# Altium PCB controller.PcbDoc (part 1 of 6)
Units mm, origin at the board's own origin, x right, y up, seen from the top; angles counter-clockwise.
Board outline 151 x 78 mm, 2 copper layers (Top Layer, Bottom Layer); 227 components, 202 nets, 805 pads, 125 vias.
Unrouted connection lines stored in the file: 1.
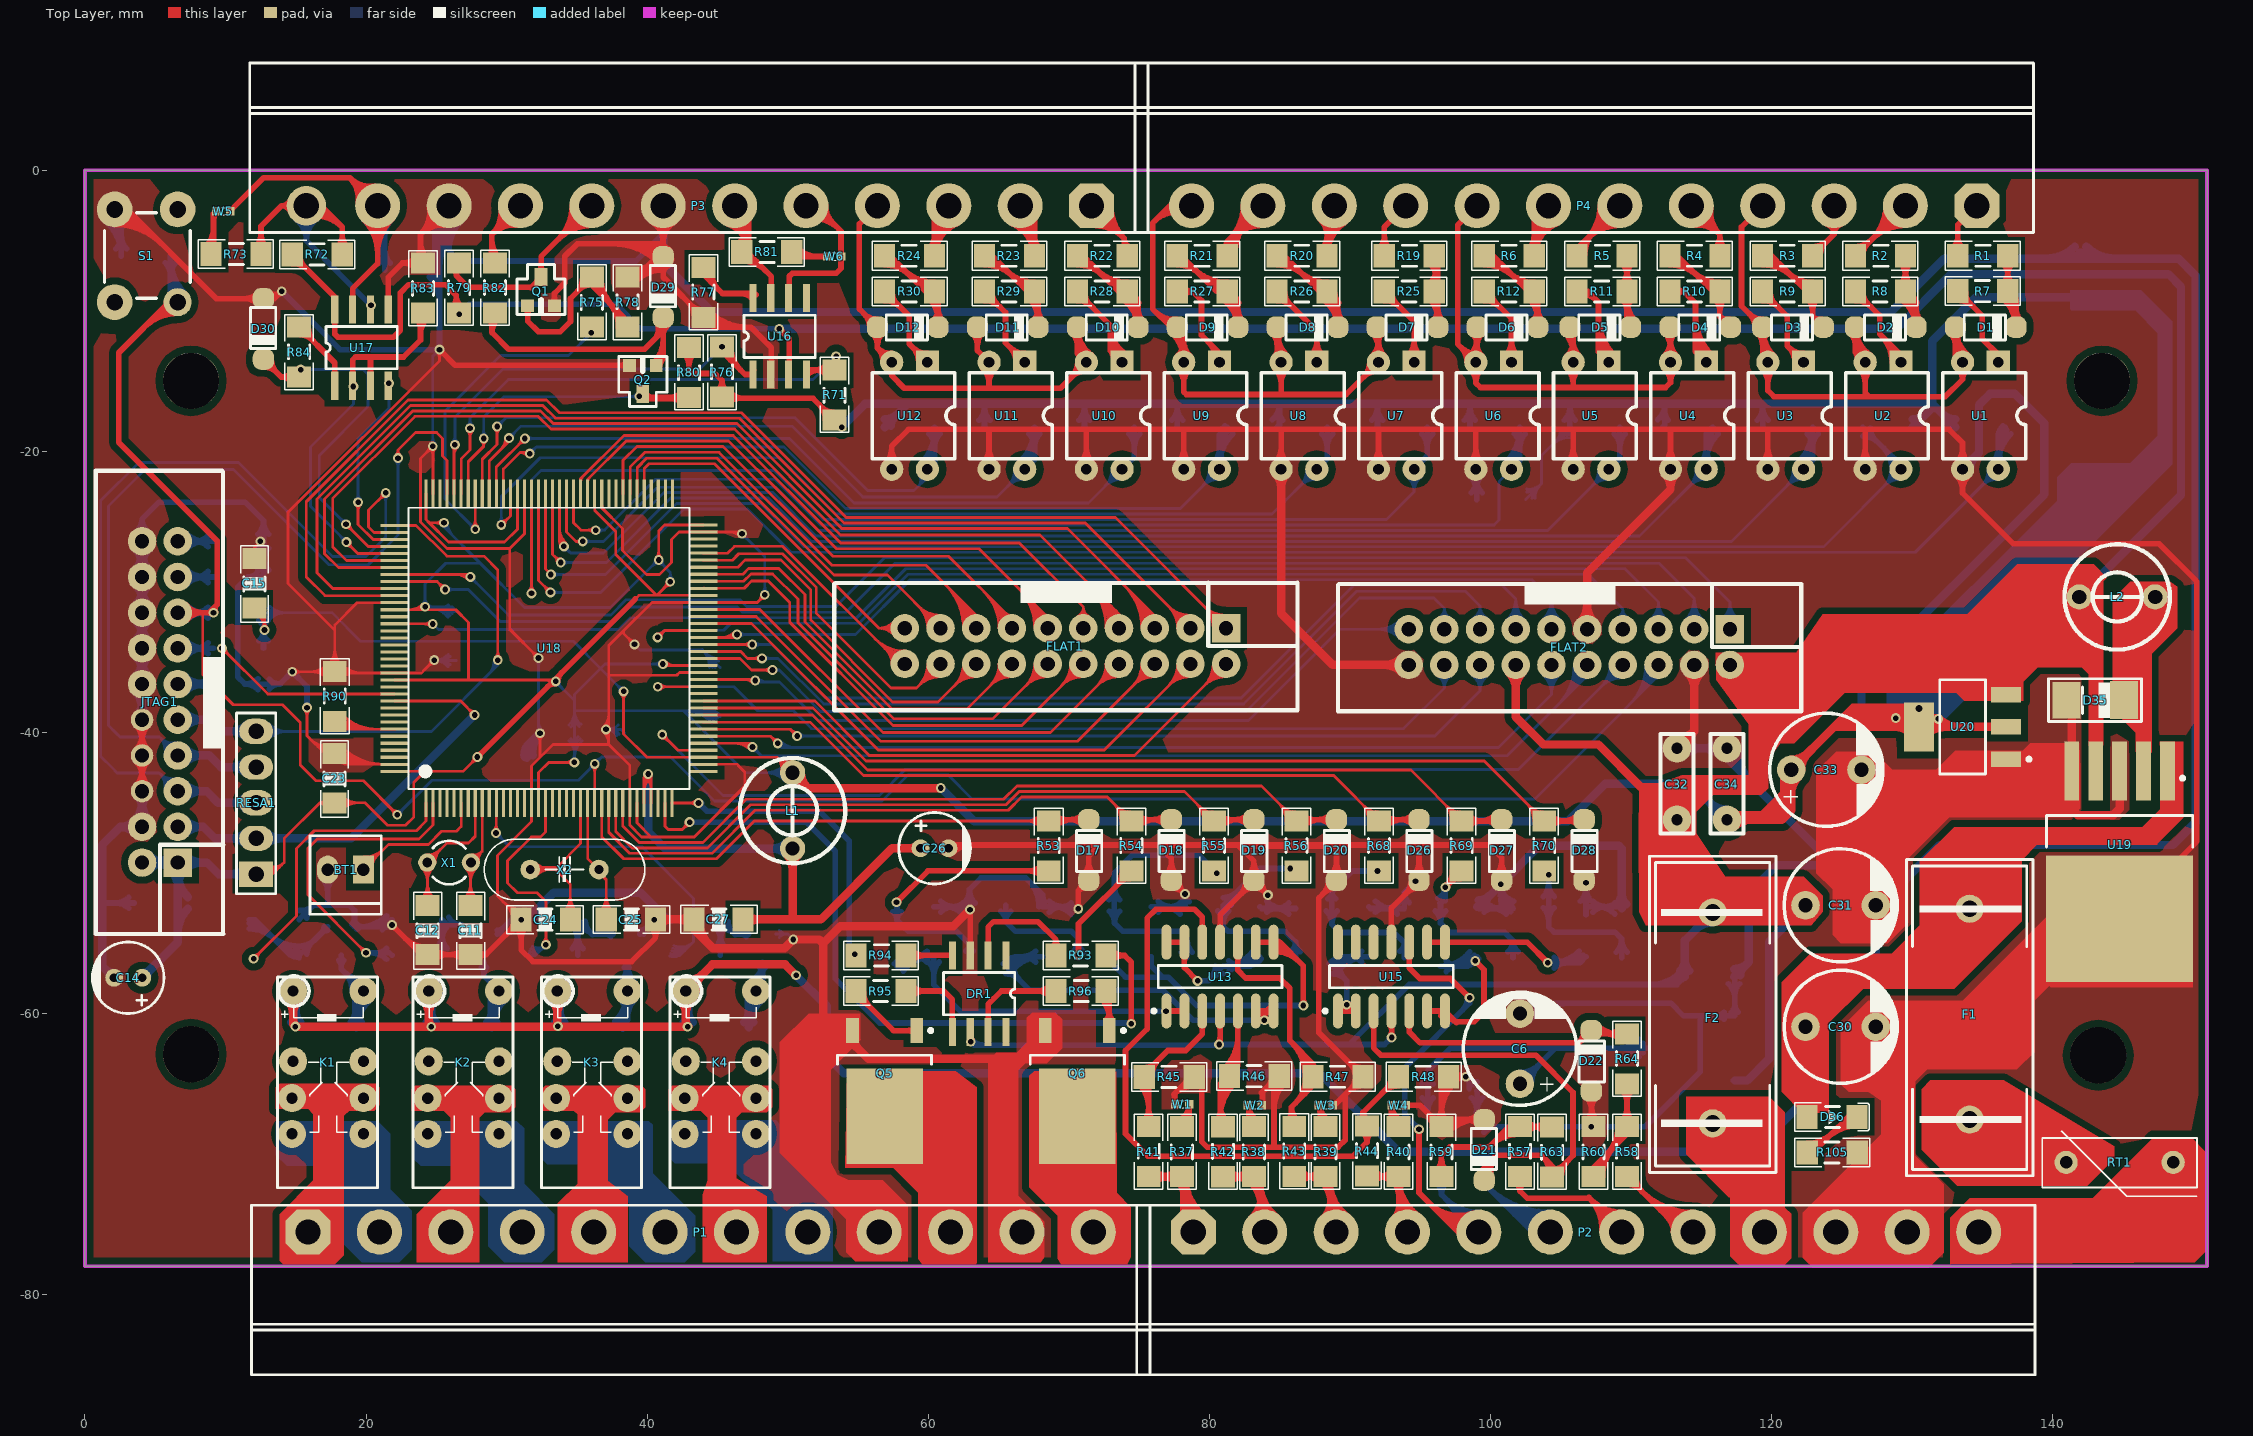
[diagram p0: Top Layer view]
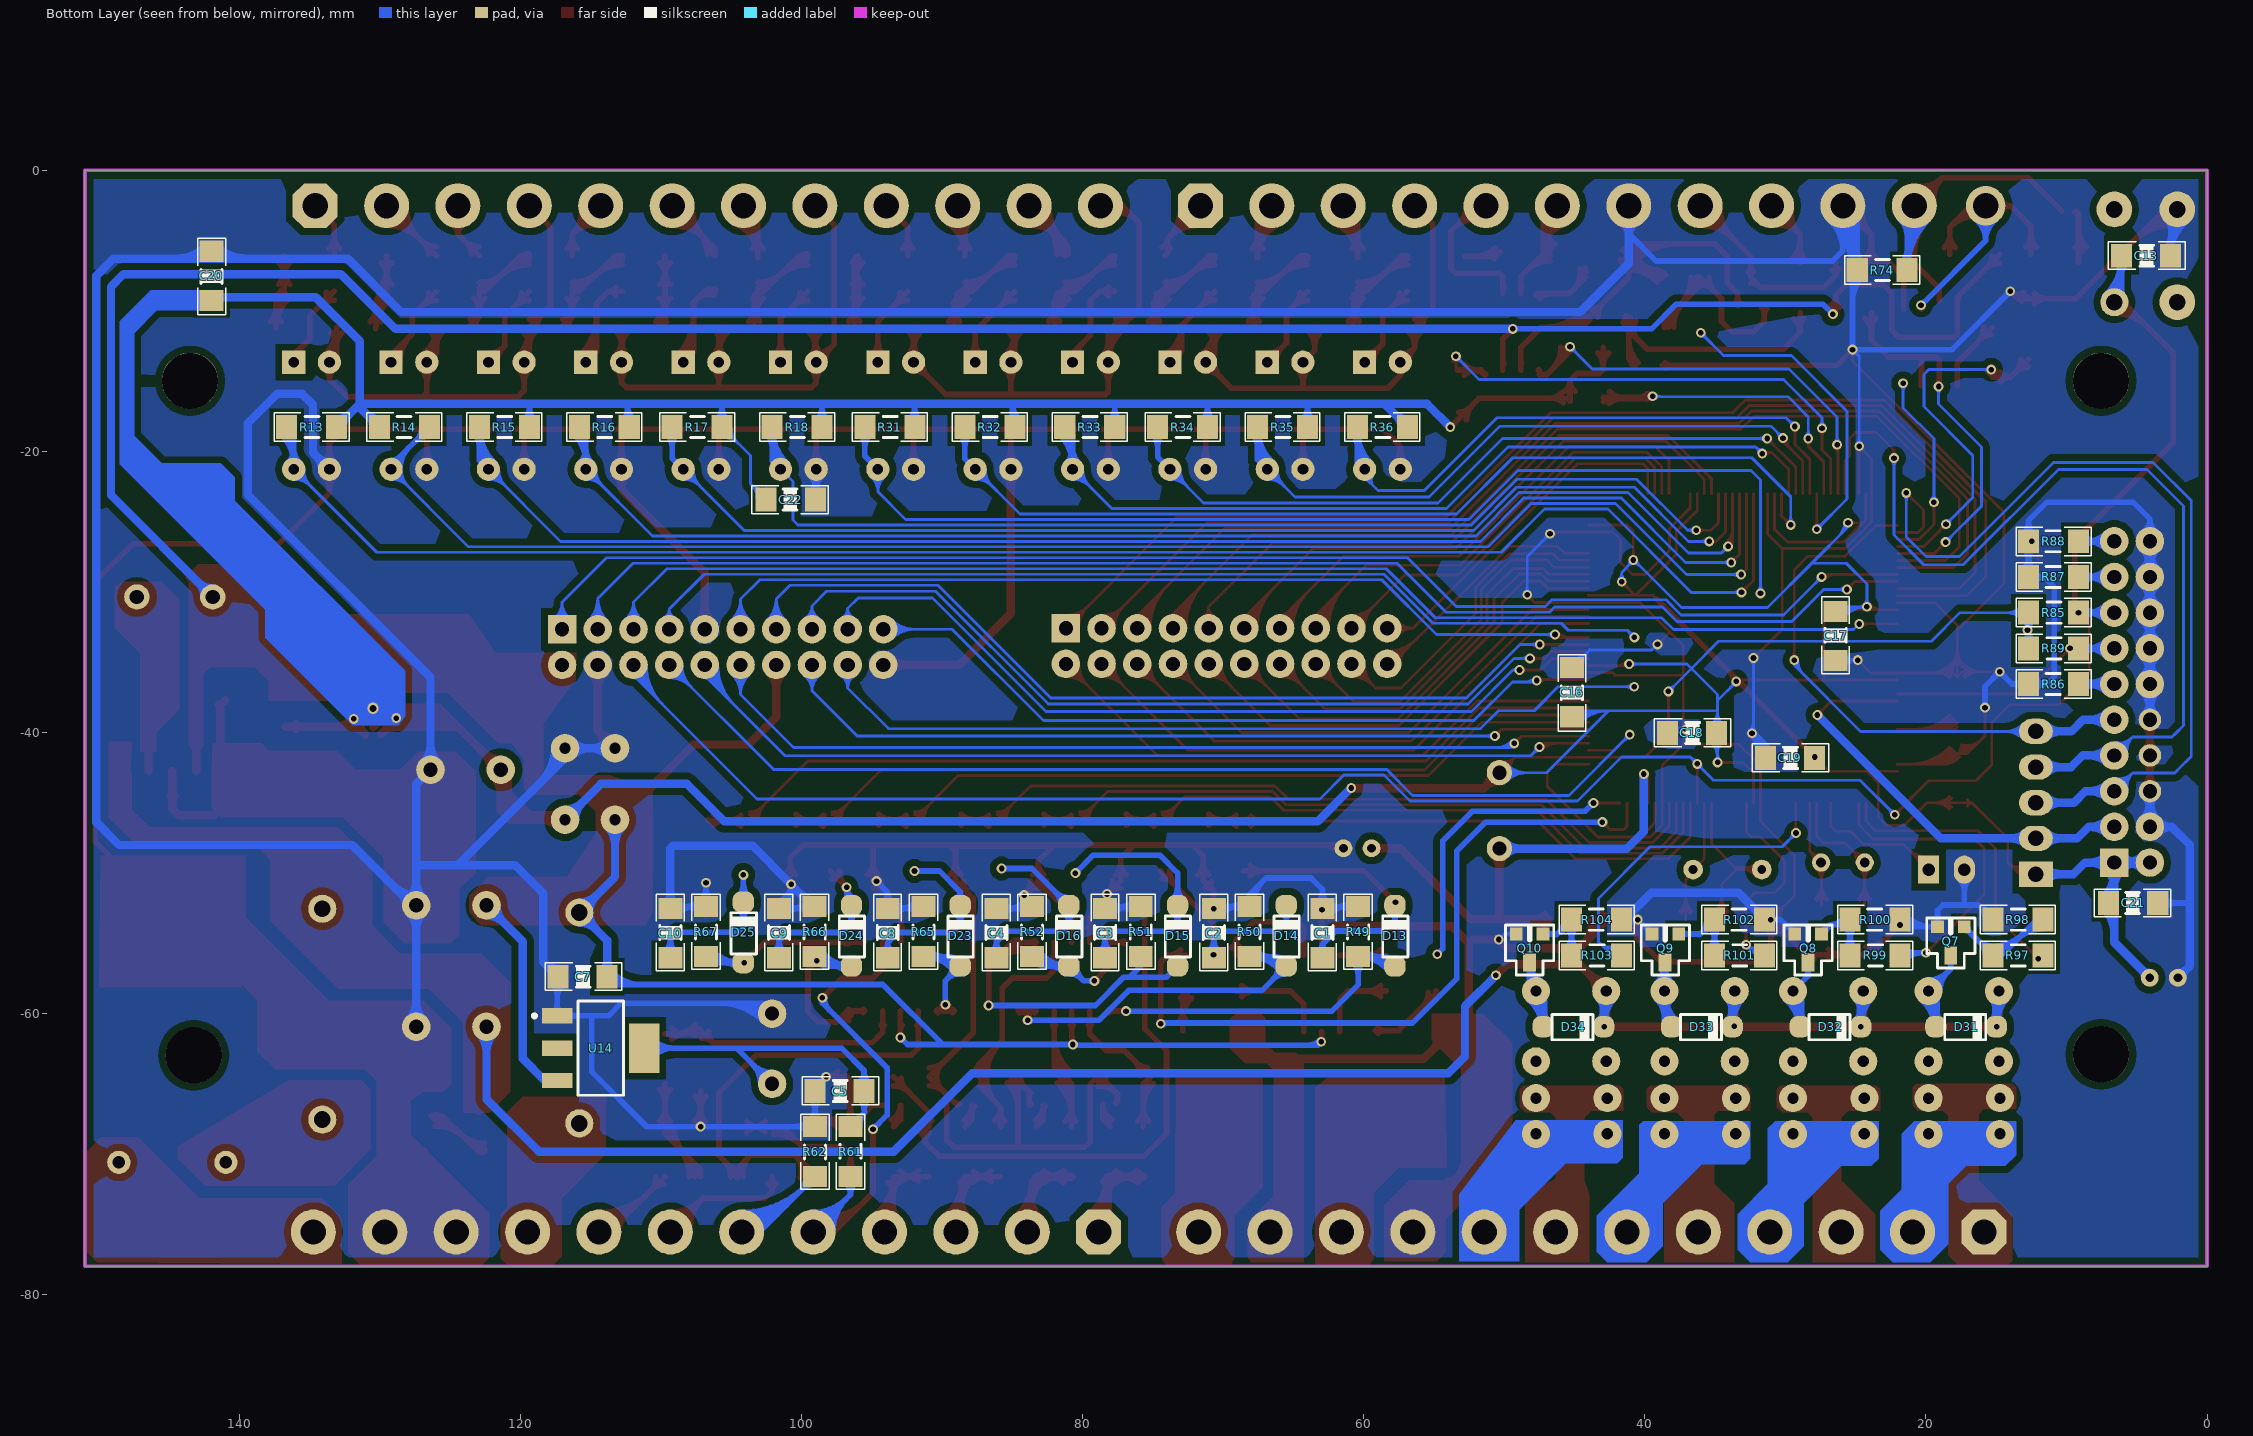
[diagram p1: Bottom Layer view, seen from below]
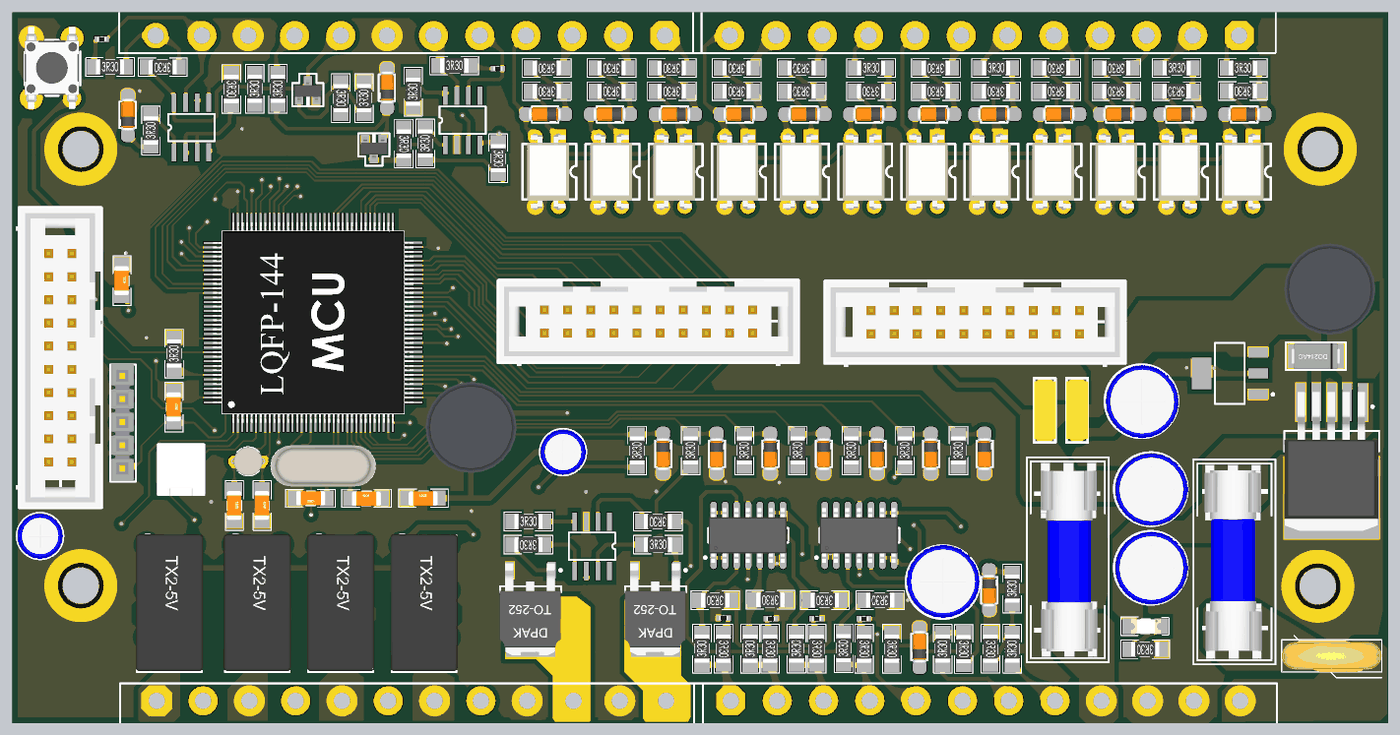
[diagram p7: 3D render of the assembled board from above, using the file's embedded part models]
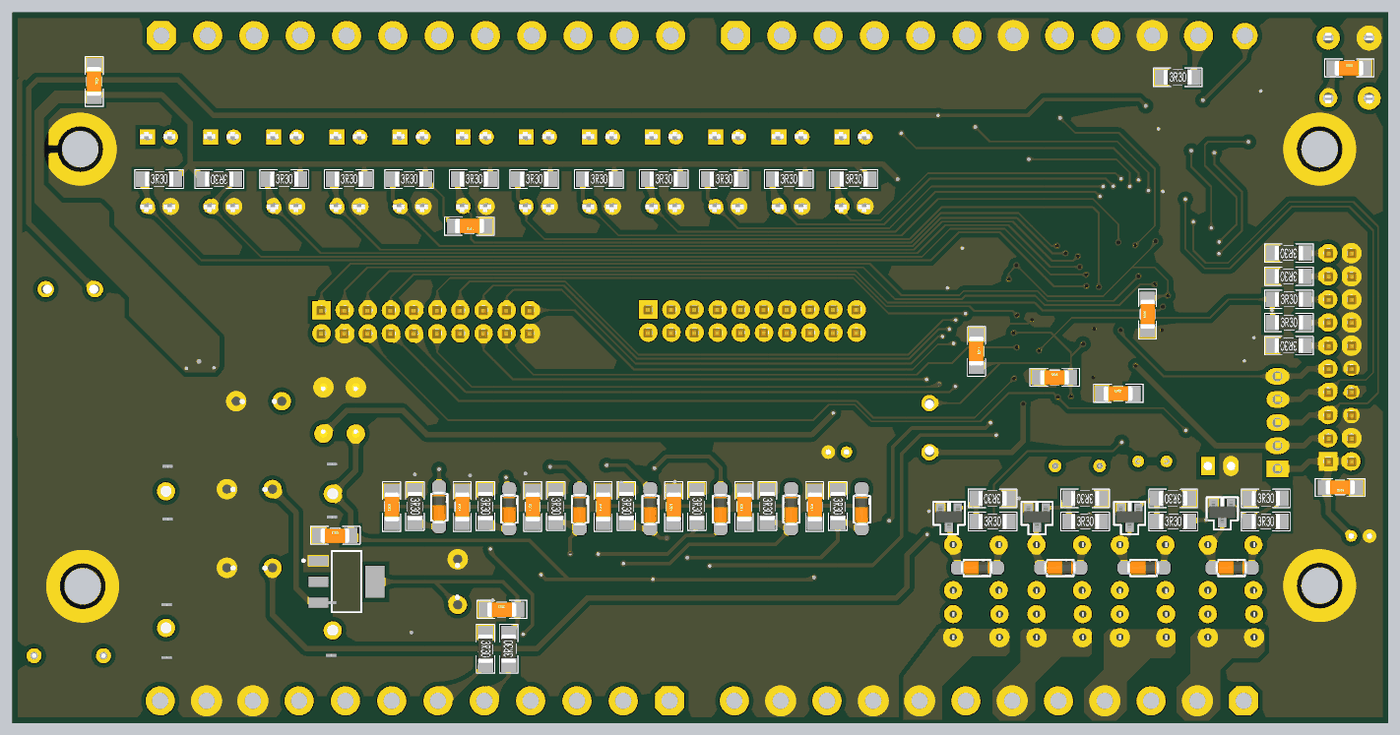
[diagram p8: 3D render of the assembled board from below, using the file's embedded part models]

## Layer stack, top to bottom
Top Solder: solder mask 0.0102, Solder Resist, Dk 3.5
Top Layer: signal copper 0.0356
Dielectric1: dielectric 0.32, FR-4, Dk 4.8
Bottom Layer: signal copper 0.0356
Bottom Solder: solder mask 0.0102, Solder Resist, Dk 3.5

## Board outline
0,-78 151,-78 151,0 0,0

## Design rules (kind name [scope] priority, off if disabled: settings)
Clearance [All] p1: gap=0.5 ignorepadtopadclearanceinfootprint=FALSE except(0: Arc-Hole Track-Hole SMDPad-Hole THPad-Hole Via-Hole Fill-Hole Poly-Hole Region-Hole Text-Hole)
FabricationTestPointUsage TestPointUsage [All] p1: valid=0 allowmultiple=FALSE
FabricationTestpoint Testpoint [All] p1: side=3 testpointundercomponent=TRUE minsize=1.016 maxsize=2.54 preferedsize=1.524 minholesize=0 maxholesize=1.016 preferedholesize=0.813 testpointgrid=0.025 allowsidetop=TRUE allowsidebottom=TRUE usegrid=TRUE gridtolerance=0
PlaneConnect [All] p1: planeconnectstyle=Direct reliefexpansion=0.508 reliefentries=4 reliefconductorwidth=0.254 reliefairgap=0.254
PolygonConnect [All] p1: connectstyle=Direct reliefconductorwidth=0.254 reliefentries=4 polygonreliefangle="90 Angle" airgapwidth=0.254
RoutingVias [All] p1: holewidth=0.4 width=0.7 viastyle="Through Hole" minholewidth=0.4 minwidth=0.7 maxholewidth=0.4 maxwidth=0.7
SilkToSolderMaskClearance SilkscreenOverComponentPads [IsPad] p1: minsilkscreentomaskgap=0.254 clearancetoexposedcopper=TRUE
SolderMaskExpansion [All] p1: expansion=0.102
Width [All] p1: maxlimit=0.6 minlimit=0.2 preferedwidth=0.4
26 further rules are at their usual default settings.

## Classes and differential pairs
component class RELAY: D31 D32 D33 D34 K1 K2 K3 K4 Q7 Q8 Q9 Q10 R97 R98 R99 R100 R101 R102 R103 R104
component class POWER: C30 C31 C32 C33 C34 D35 D36 F1 F2 L2 R105 RT1 U19 U20
component class OUTPUT: P1 P2 P3 P4
component class MOSFET: DR1 Q5 Q6 R93 R94 R95 R96
component class DIGITAL: D1 D2 D3 D4 D5 D6 D7 D8 D9 D10 D11 D12 R1 R2 R3 R4 R5 R6 R7 R8 R9 R10 R11 R12 R13 R14 R15 R16 R17 R18 R19 R20 R21 R22 R23 R24 R25 R26 R27 R28 R29 R30 R31 R32 R33 R34 R35 R36 U1 U2 U3 U4 U5 U6 U7 U8 U9 U10 U11 U12
component class CORE: BT1 C11 C12 C13 C14 C15 C16 C17 C18 C19 C20 C21 C22 C23 C24 C25 C26 C27 FLAT1 FLAT2 JTAG1 L1 P? R85 R86 R87 R88 R89 R90 RESA1 S1 U18 X1 X2
component class COMMUNICATION: D29 D30 Q1 Q2 R71 R72 R73 R74 R75 R76 R77 R78 R79 R80 R81 R82 R83 R84 U16 U17 W5 W6
component class ANALOG: C1 C2 C3 C4 C5 C6 C7 C8 C9 C10 D13 D14 D15 D16 D17 D18 D19 D20 D21 D22 D23 D24 D25 D26 D27 D28 R37 R38 R39 R40 R41 R42 R43 R44 R45 R46 R47 R48 R49 R50 R51 R52 R53 R54 R55 R56 R57 R58 R59 R60 R61 R62 R63 R64 R65 R66 R67 R68 R69 R70 U13 U14 U15 W1 W2 W3 W4

## Components (designator, comment, footprint, x,y, rotation, side; value= is the part's Value field where it differs from the comment)
BT1 "Battery" HDR1*2 19.812,-49.784 r180 top
C1 "Cap" "CAP 1206 (3216X08L)" 62.939,-55.547 r90 bottom
C2 "Cap" "CAP 1206 (3216X08L)" 70.674,-55.547 r90 bottom
C3 "Cap" "CAP 1206 (3216X08L)" 78.409,-55.547 r90 bottom
C4 "Cap" "CAP 1206 (3216X08L)" 86.143,-55.547 r90 bottom
C5 "Cap" "CAP 1206 (3216X08L)" 98.552,-65.532 r180 bottom
C6 "Cap Pol1" "POL 100U/25V" 102.108,-65.024 r90 top
C7 "Cap" "CAP 1206 (3216X08L)" 116.84,-57.404 r180 bottom
C8 "Cap" "CAP 1206 (3216X08L)" 93.878,-55.547 r90 bottom
C9 "Cap" "CAP 1206 (3216X08L)" 101.612,-55.547 r90 bottom
C10 "Cap" "CAP 1206 (3216X08L)" 109.347,-55.547 r90 bottom
C11 "Cap" "CAP 1206 (3216X08L)" 27.432,-52.832 r270 top
C12 "Cap" "CAP 1206 (3216X08L)" 24.384,-52.832 r270 top
C13 "Cap" "CAP 1206 (3216X08L)" 5.588,-6.096 r180 bottom
C14 "Cap Pol1" "POL 100U16V" 3.075,-57.475 r0 top
C15 "Cap" "CAP 1206 (3216X08L)" 12.05,-28.15 r270 top
C16 "Cap" "CAP 1206 (3216X08L)" 45.2,-35.9 r270 bottom
C17 "Cap" "CAP 1206 (3216X08L)" 26.425,-34.4 r90 bottom
C18 "Cap" "CAP 1206 (3216X08L)" 37.9,-40.05 r180 bottom
C19 "Cap" "CAP 1206 (3216X08L)" 30.925,-41.825 r180 bottom
C20 "Cap" "CAP 1206 (3216X08L)" 142,-6.275 r270 bottom
C21 "Cap" "CAP 1206 (3216X08L)" 4.004,-52.15 r0 bottom
C22 "Cap" "CAP 1206 (3216X08L)" 99.525,-23.45 r0 bottom
C23 "Cap" "CAP 1206 (3216X08L)" 17.75,-42.025 r270 top
C24 "Cap" "CAP 1206 (3216X08L)" 34.036,-53.34 r180 top
C25 "Cap" "CAP 1206 (3216X08L)" 37.592,-53.34 r0 top
C26 "Cap Pol1" "POL 100U16V" 60.452,-48.26 r180 top
C27 "Cap" "CAP 1206 (3216X08L)" 43.825,-53.325 r0 top
C30 "Cap Pol1" "POL 220U/35V" 122.428,-60.96 r0 top
C31 "Cap Pol1" "POL 220U/35V" 122.428,-52.324 r0 top
C32 "Cap" "REC 10N" 113.284,-41.148 r270 top
C33 "Cap Pol1" "POL 100U/25V" 121.412,-42.672 r0 top
C34 "Cap" "REC 10N" 116.84,-41.148 r270 top
D1 "5.1v" "Diode-1n4148 - SMD PAD" 132.08,-11.176 r0 top
D2 "5.1v" "Diode-1n4148 - SMD PAD" 124.968,-11.176 r0 top
D3 "5.1v" "Diode-1n4148 - SMD PAD" 118.364,-11.176 r0 top
D4 "5.1v" "Diode-1n4148 - SMD PAD" 111.76,-11.176 r0 top
D5 "5.1v" "Diode-1n4148 - SMD PAD" 104.648,-11.176 r0 top
D6 "5.1v" "Diode-1n4148 - SMD PAD" 98.044,-11.176 r0 top
D7 "5.1v" "Diode-1n4148 - SMD PAD" 90.932,-11.176 r0 top
D8 "5.1v" "Diode-1n4148 - SMD PAD" 83.82,-11.176 r0 top
D9 "5.1v" "Diode-1n4148 - SMD PAD" 76.708,-11.176 r0 top
D10 "5.1v" "Diode-1n4148 - SMD PAD" 69.596,-11.176 r0 top
D11 "5.1v" "Diode-1n4148 - SMD PAD" 62.484,-11.176 r0 top
D12 "5.1v" "Diode-1n4148 - SMD PAD" 55.372,-11.176 r0 top
D13 "1N4448" "Diode-1n4148 - SMD PAD" 57.785,-57.658 r90 bottom
D14 "1N4448" "Diode-1n4148 - SMD PAD" 65.52,-57.658 r90 bottom
D15 "1N4448" "Diode-1n4148 - SMD PAD" 73.254,-57.658 r90 bottom
D16 "1N4448" "Diode-1n4148 - SMD PAD" 80.989,-57.658 r90 bottom
D17 "3.3V" "Diode-1n4148 - SMD PAD" 71.425,-51.562 r90 top
D18 "3.3V" "Diode-1n4148 - SMD PAD" 77.301,-51.562 r90 top
D19 "3.3V" "Diode-1n4148 - SMD PAD" 83.177,-51.562 r90 top
D20 "3.3V" "Diode-1n4148 - SMD PAD" 89.052,-51.562 r90 top
D21 "5.1v" "Diode-1n4148 - SMD PAD" 99.568,-66.548 r270 top
D22 "5.1v" "Diode-1n4148 - SMD PAD" 107.188,-66.548 r90 top
D23 "1N4448" "Diode-1n4148 - SMD PAD" 88.723,-57.658 r90 bottom
D24 "1N4448" "Diode-1n4148 - SMD PAD" 96.458,-57.658 r90 bottom
D25 "1N4448" "Diode-1n4148 - SMD PAD" 104.15,-57.425 r90 bottom
D26 "3.3V" "Diode-1n4148 - SMD PAD" 94.928,-51.562 r90 top
D27 "3.3V" "Diode-1n4148 - SMD PAD" 100.804,-51.562 r90 top
D28 "3.3V" "Diode-1n4148 - SMD PAD" 106.68,-51.562 r90 top
D29 "1N4148" "Diode-1n4148 - SMD PAD" 41.148,-5.15 r270 top
D30 "3.3V" "Diode-1n4148 - SMD PAD" 12.7,-8.128 r270 top
D31 "Diode 1N4148" "Diode-1n4148 - SMD PAD" 20.32,-60.96 r180 bottom
D32 "Diode 1N4148" "Diode-1n4148 - SMD PAD" 29.972,-60.96 r180 bottom
D33 "Diode 1N4148" "Diode-1n4148 - SMD PAD" 39.116,-60.96 r180 bottom
D34 "Diode 1N4148" "Diode-1n4148 - SMD PAD" 48.26,-60.96 r180 bottom
D35 "D Schottky" DO214AC 141,-37.725 r0 top
D36 "LED0" led-1206 124.35,-67.4 r0 top
DR1 "4424" SOP8 65.532,-55.88 r270 top
F1 "Fuse 2" "fuse plastic holder" 134.112,-67.564 r90 top
F2 "Fuse 2" "fuse plastic holder" 115.824,-52.832 r270 top
FLAT1 "MHDR2X10" "box 20"#1 81.2,-32.6 r0 top
FLAT2 "MHDR2X10" "box 20"#1 117.05,-32.675 r0 top
JTAG1 "MHDR2X10" "box 20"#2 6.604,-49.276 r270 top
K1 "Relay" "RELAY 12V ATX203" 19.812,-58.42 r270 top
K2 "Relay" "RELAY 12V ATX203" 29.464,-58.42 r270 top
K3 "Relay" "RELAY 12V ATX203" 38.608,-58.42 r270 top
K4 "Relay" "RELAY 12V ATX203" 47.752,-58.42 r270 top
L1 "Inductor" TR 50.35,-48.3 r90 top
L2 "Inductor" TR 147.325,-30.375 r180 top
P1 "MHDR1X12" W23112R5MILH#1 43.815,-75.565 r0 top locked
P2 "MHDR1X12" W23112R5MILH#1 106.807,-75.565 r0 top locked
P3 "MHDR1X12" W23112R5MILH#2 43.688,-2.54 r180 top locked
P4 "MHDR1X12" W23112R5MILH#1 106.68,-2.54 r180 top locked
Q1 "2N3904" 2N3906_SMD 31.496,-9.652 r0 top
Q2 "2N3904" 2N3906_SMD 40.65,-13.9 r180 top
Q5 "MOSFET-N" dpak-to252 56.896,-65.532 r270 top
Q6 "MOSFET-N" dpak-to252 70.612,-65.532 r270 top
Q7 "2N3904" 2N3906_SMD 17.272,-53.848 r0 bottom
Q8 "2N3904" 2N3906_SMD 27.432,-54.356 r0 bottom
Q9 "2N3904" 2N3906_SMD 37.592,-54.356 r0 bottom
Q10 "2N3904" 2N3906_SMD 47.244,-54.356 r0 bottom
R1 "Res Semi" "RES 1206 (3216X08L)" 133.771,-6.096 r0 top
R2 "Res Semi" "RES 1206 (3216X08L)" 126.492,-6.096 r0 top
R3 "Res Semi" "RES 1206 (3216X08L)" 122.428,-6.096 r180 top
R4 "Res Semi" "RES 1206 (3216X08L)" 115.824,-6.096 r180 top
R5 "Res Semi" "RES 1206 (3216X08L)" 106.68,-6.096 r0 top
R6 "Res Semi" "RES 1206 (3216X08L)" 102.616,-6.096 r180 top
R7 "Res Semi" "RES 1206 (3216X08L)" 136.311,-8.617 r180 top
R8 "Res Semi" "RES 1206 (3216X08L)" 129.032,-8.636 r180 top
R9 "Res Semi" "RES 1206 (3216X08L)" 122.428,-8.636 r180 top
R10 "Res Semi" "RES 1206 (3216X08L)" 115.824,-8.636 r180 top
R11 "Res Semi" "RES 1206 (3216X08L)" 109.22,-8.636 r180 top
R12 "Res Semi" "RES 1206 (3216X08L)" 102.616,-8.636 r180 top
R13 "Res Semi" "RES 1206 (3216X08L)" 136.144,-18.288 r180 bottom
R14 "Res Semi" "RES 1206 (3216X08L)" 127,-18.288 r0 bottom
R15 "Res Semi" "RES 1206 (3216X08L)" 122.428,-18.288 r180 bottom
R16 "Res Semi" "RES 1206 (3216X08L)" 115.316,-18.288 r180 bottom
R17 "Res Semi" "RES 1206 (3216X08L)" 108.712,-18.288 r180 bottom
R18 "Res Semi" "RES 1206 (3216X08L)" 101.6,-18.288 r180 bottom
R19 "Res Semi" "RES 1206 (3216X08L)" 92.964,-6.096 r0 top
R20 "Res Semi" "RES 1206 (3216X08L)" 87.884,-6.096 r180 top
R21 "Res Semi" "RES 1206 (3216X08L)" 80.772,-6.096 r180 top
R22 "Res Semi" "RES 1206 (3216X08L)" 73.66,-6.096 r180 top
R23 "Res Semi" "RES 1206 (3216X08L)" 67.056,-6.096 r180 top
R24 "Res Semi" "RES 1206 (3216X08L)" 59.944,-6.096 r180 top
R25 "Res Semi" "RES 1206 (3216X08L)" 95.504,-8.636 r180 top
R26 "Res Semi" "RES 1206 (3216X08L)" 87.884,-8.636 r180 top
R27 "Res Semi" "RES 1206 (3216X08L)" 80.772,-8.636 r180 top
R28 "Res Semi" "RES 1206 (3216X08L)" 73.66,-8.636 r180 top
R29 "Res Semi" "RES 1206 (3216X08L)" 67.056,-8.636 r180 top
R30 "Res Semi" "RES 1206 (3216X08L)" 59.944,-8.636 r180 top
R31 "Res Semi" "RES 1206 (3216X08L)" 94.996,-18.288 r180 bottom
R32 "Res Semi" "RES 1206 (3216X08L)" 87.884,-18.288 r180 bottom
R33 "Res Semi" "RES 1206 (3216X08L)" 80.772,-18.288 r180 bottom
R34 "Res Semi" "RES 1206 (3216X08L)" 74.168,-18.288 r180 bottom
R35 "Res Semi" "RES 1206 (3216X08L)" 67.056,-18.288 r180 bottom
R36 "Res Semi" "RES 1206 (3216X08L)" 59.944,-18.288 r180 bottom
R37 "Res2" "RES 1206 (3216X08L)" 78.05,-68.575 r270 top
R38 "Res2" "RES 1206 (3216X08L)" 83.175,-68.575 r270 top
R39 "Res2" "RES 1206 (3216X08L)" 88.275,-68.575 r270 top
R40 "Res2" "RES 1206 (3216X08L)" 93.472,-68.58 r270 top
R41 "Res2" "RES 1206 (3216X08L)" 75.692,-71.12 r90 top
R42 "Res2" "RES 1206 (3216X08L)" 80.975,-71.125 r90 top
R43 "Res2" "RES 1206 (3216X08L)" 86.05,-71.1 r90 top
R44 "Res2" "RES 1206 (3216X08L)" 91.225,-71.075 r90 top
R45 "Res2" "RES 1206 (3216X08L)" 78.425,-64.525 r180 top
R46 "Res2" "RES 1206 (3216X08L)" 84.475,-64.475 r180 top
R47 "Res2" "RES 1206 (3216X08L)" 90.424,-64.516 r180 top
R48 "Res2" "RES 1206 (3216X08L)" 96.52,-64.516 r180 top
R49 "Res Semi" "RES 1206 (3216X08L)" 60.402,-52.919 r270 bottom
R50 "Res Semi" "RES 1206 (3216X08L)" 68.137,-52.919 r270 bottom
R51 "Res Semi" "RES 1206 (3216X08L)" 75.871,-52.919 r270 bottom
R52 "Res Semi" "RES 1206 (3216X08L)" 83.606,-52.919 r270 bottom
R53 "Res Semi" "RES 1206 (3216X08L)" 68.58,-49.363 r90 top
R54 "Res Semi" "RES 1206 (3216X08L)" 74.456,-49.363 r90 top
R55 "Res Semi" "RES 1206 (3216X08L)" 80.332,-49.363 r90 top
R56 "Res Semi" "RES 1206 (3216X08L)" 86.208,-49.363 r90 top
R57 "Res2" "RES 1206 (3216X08L)" 102.108,-71.12 r90 top
R58 "Res2" "RES 1206 (3216X08L)" 109.728,-71.12 r90 top
R59 "Res2" "RES 1206 (3216X08L)" 96.52,-68.58 r270 top
R60 "Res2" "RES 1206 (3216X08L)" 107.35,-68.575 r270 top
R61 "Res2" "RES 1206 (3216X08L)" 96.52,-71.12 r90 bottom
R62 "Res2" "RES 1206 (3216X08L)" 99.06,-68.58 r270 bottom
R63 "Res2" "RES 1206 (3216X08L)" 104.4,-68.6 r270 top
R64 "Res2" "RES 1206 (3216X08L)" 109.728,-64.516 r90 top
R65 "Res Semi" "RES 1206 (3216X08L)" 91.341,-52.919 r270 bottom
R66 "Res Semi" "RES 1206 (3216X08L)" 99.075,-52.919 r270 bottom
R67 "Res Semi" "RES 1206 (3216X08L)" 106.81,-52.919 r270 bottom
R68 "Res Semi" "RES 1206 (3216X08L)" 92.083,-49.363 r90 top
R69 "Res Semi" "RES 1206 (3216X08L)" 97.959,-49.363 r90 top
R70 "Res Semi" "RES 1206 (3216X08L)" 103.835,-49.363 r90 top
R71 "Res Semi" "RES 1206 (3216X08L)" 53.34,-14.732 r270 top
R72 "Res Semi" "RES 1206 (3216X08L)" 17.8,-6 r180 top
R73 "Res Semi" "RES 1206 (3216X08L)" 9.475,-5.975 r0 top
R74 "Res Semi" "RES 1206 (3216X08L)" 24.384,-7.112 r180 bottom
R75 "Res Semi" "RES 1206 (3216X08L)" 36.068,-8.128 r270 top
R76 "Res Semi" "RES 1206 (3216X08L)" 45.325,-15.65 r90 top